# Altium PCB PCB1.PcbDoc (part 2 of 2)
Units mil, origin at the board's own origin, x right, y up, seen from the top; angles counter-clockwise.
Board outline 4595 x 3140.77 mil, 4 copper layers (Top Layer, layer 2, layer 3, Bottom Layer), stack 61.811 mil thick; 97 components, 77 nets, 454 pads, 209 vias.
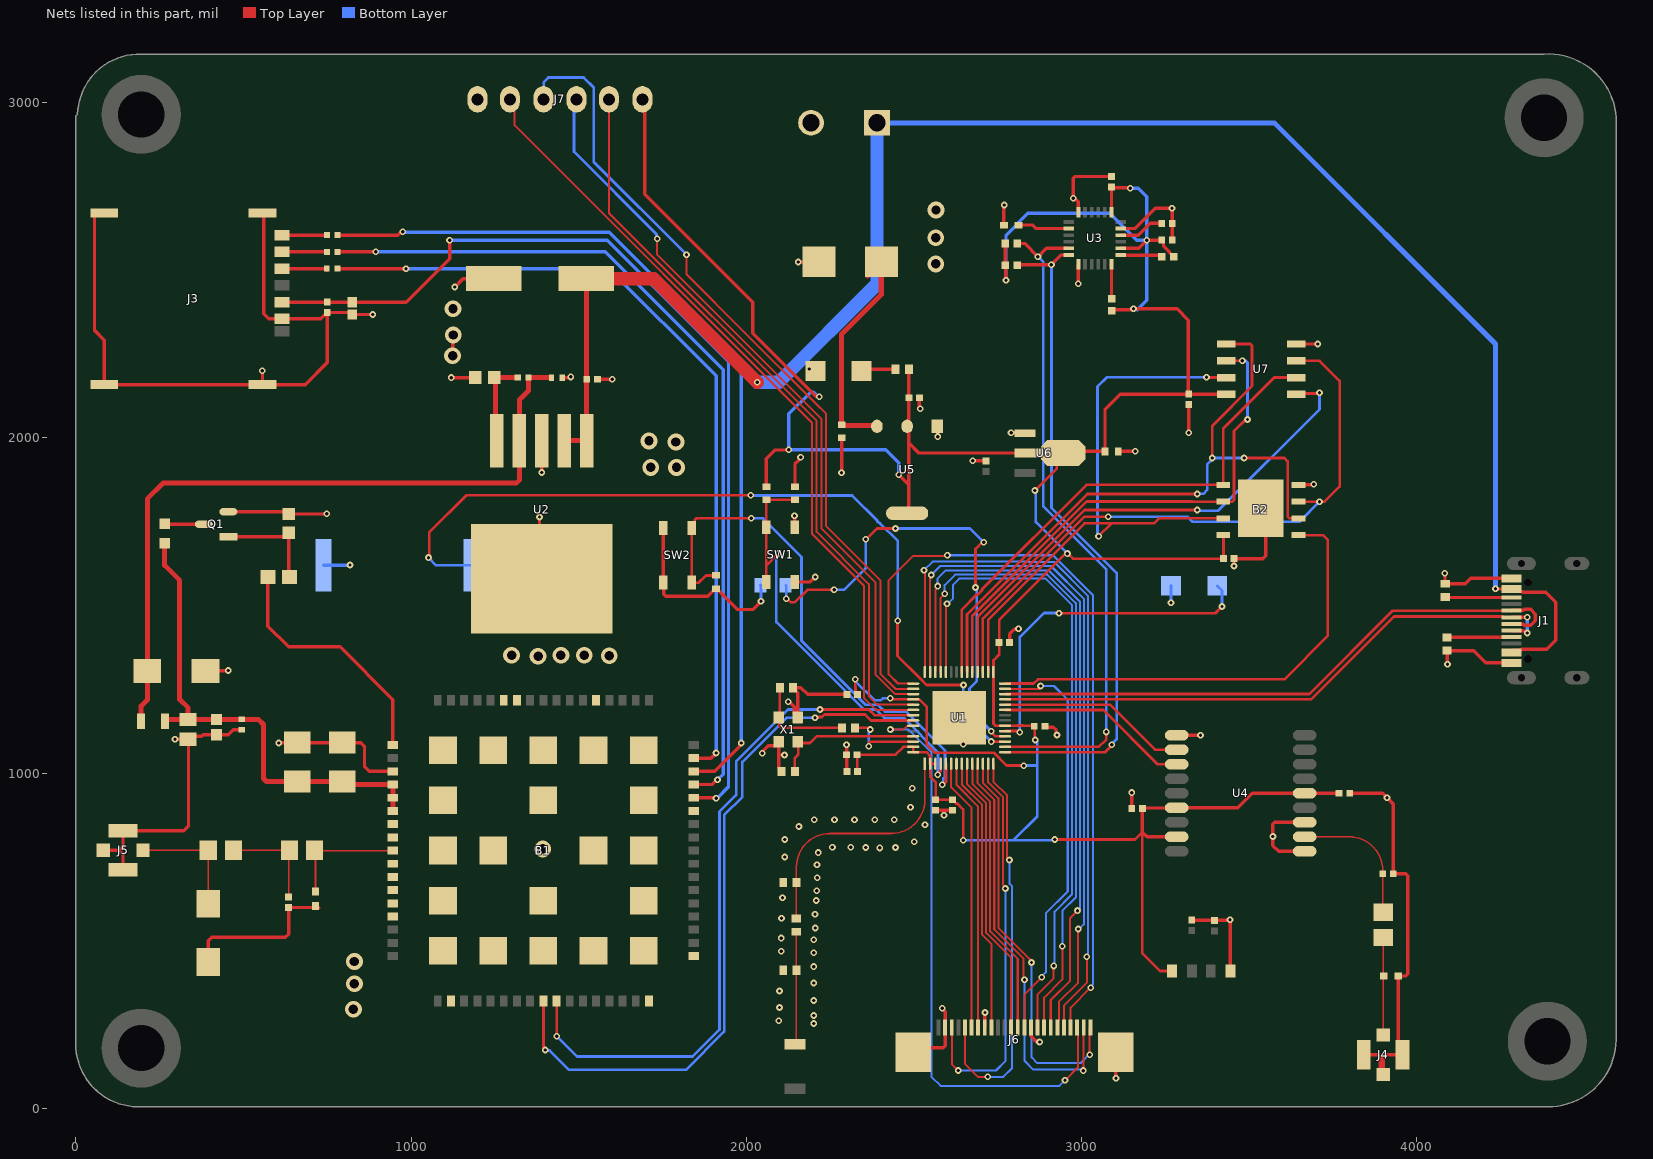
[diagram p4: the nets of this part, all layers, seen from the top]

## Via types
v1: diameter 20, hole 10, Top Layer to Bottom Layer, tented both sides, 190 vias
v2: diameter 50, hole 28, Top Layer to Bottom Layer, tented both sides, 19 vias

## Nets (pads, with @x,y where several pads share a name; then routed paths per layer and width w, separated by ;. In a path a pad name is that pad's centre, name@x,y a point inside that pad or via, vN(x,y) a via of type N, cw(c..) or ccw(c..) an arc to the next point about the centre after c; other vN are vias at no path point) (continued)
3.3V: B2.8 C6.1 C7.1 C8.1 C9.1 C29.2 C30.1 C33.1 C34.1 C35.1 C36.1 C37.1 C38.1 C39.1 C40.1 C41.1 J7.1 R8.2 R9.1 R10.2 R12.1 R17.2 R19.2 R20.1 U1.2 U1.3 U1.20 U1.29 U1.46 U1.55 U1.56 U3.8 U3.13 U4.6 U4.8 U4.14 U5.2 U5.4 U6.2 U7.8 | length 10519.6
  Top Layer w8: v1(2325,1280) 2325,1257.98 2325.74,1257.24 2325.74,1240.76 C33.1@2331.5,1235 ; C38.1@2331.5,1005 2330.75,1005.75 2330.75,1054.25 C36.1@2330,1055 2445,1055 2468.39,1078.39 U1.55@2498.1,1078.39 U1.56@2498.1,1062.64 2537.36,1062.64 2548.17,1051.83 2548.17,1028.32 U1.2@2548.39,1028.1 ; v1(2429.61,1223.37) 2432.86,1223.37 2436.11,1220.12 U1.46@2498.1,1220.12 ; U1.46@2498.1,1220.12 2516.2,1220.06 2538,1198.26 2538,1085 2562,1061 2647,1061 2738.26,1061 2776.25,1023 2827,1023 v1(2828,1022) ; U1.3@2564.13,1028.1 U1.2@2548.39,1028.1 ; v1(2647,800) 2647,891.87 2629.38,909.49 2626.26,909.49 C37.1@2615,920.75 C34.1@2565,920.75 2565,972.98 2548.39,989.59 U1.2@2548.39,1028.1 ; v1(2861,1843) 2926.32,1908.32 2926.32,1935.88 U6.2@2945.43,1955 ; v1(2862,1099) 2860.63,1100.37 2860.63,1136.38 2855.84,1141.17 2825.12,1141.17 2824.28,1142 2807.72,1142 2806.88,1141.17 2772.11,1141.17 U1.20@2771.9,1141.38 2743.69,1141.38 2737.36,1147.7 U1.29@2737.36,1301.9 2737.36,1336.36 2754.25,1353.25 C39.1@2754.25,1390 2754.25,1457.25 2952,1655 v1(2958,1655) 2959.11,1655 2974.11,1640 C41.1@3423.5,1640 3423.5,1709.29 B2.8@3422.8,1710 ; v1(2920,802) 3159.5,802 3181.5,824 3181.5,462.5 3234,410 R19.2@3270,410
  Top Layer w10: J7.1@1690.28,3010 1697,3003.28 1697,2727 2019,2405 2019,2312.49 2206.94,2124.56 2215.73,2124.56 v1(2217.64,2122.64) ; R17.2@2060,1854.37 2060,1938 2086,1964 2126,1964 v1(2127,1965) ; v1(2455,1890) 2485,1860 ; U5.4@2480,1775.28 2485,1780.28 2485,1860 ; R20.1@2485,2205 C30.1@2485,2120 2485,1985 ; R10.2@2772.2,2580 R8.2@2772.2,2515 2773.6,2513.6 2773.6,2471.4 v1(2775,2470) ; U6.2@2839.13,1955 2515,1955 2485,1985 ; U6.2@2945.43,1955 2950.2,1959.76 C29.2@3070.25,1959.76 3070.25,2085.25 3115.75,2130.75 C40.1@3318.5,2130.75 ; U3.13@3089.21,2672.56 3089.61,2672.95 C6.1@3089.61,2748.11 ; R12.1@3090,2380 3092.5,2382.5 3152.5,2382.5 v1(3155,2385) 3285,2385 3318.5,2351.5 C40.1@3318.5,2130.75 ; C6.1@3090,2748.5 3091.75,2746.75 3143.25,2746.75 v1(3145,2745) ; U3.8@3117.56,2565.47 3170.47,2565.47 v1(3195,2590) C7.1@3239.25,2590 3244.49,2584.76 3244.49,2572.92 3261.58,2555.83 3261.58,2553.5 3275,2540.08 R9.1@3275,2540 ; U4.8@3284.06,810.08 3195.42,810.08 3181.5,824 C9.1@3181.5,895 3182.34,895.85 3283.21,895.85 U4.6@3284.06,896.69 3466.69,896.69 3510,940 U4.14@3665.94,940 C8.1@3768.5,940 ; U7.8@3431.25,2130 3320.75,2130 C40.1@3320,2130.75 C40.1@3318.5,2130.75 ; 2485,1860 2485,1985
  Bottom Layer w8: v1(2325,1280) 2325,1275 2382.39,1217.61 2401.5,1217.61 2407.25,1223.37 v1(2429.61,1223.37) ; v1@2647,796.75 v1(2647,800) 2797,800 ; v1(2828,1022) 2829,1023 2868,1023 ; v1(2861,1843) 2863.3,1840.7 2863.3,1834.7 2864,1834 2864,1749 v1(2958,1655) ; v1(2862,1099) 2863.31,1099 2868,1094.31 2868,1023 ; v1(2920,802) 2918,800 2797,800 ; 2797,800 2868,871 2868,1023
  Bottom Layer w10: v1(2217.64,2122.64) 2214.94,2122.64 2200.72,2136.86 2191.86,2136.86 2127,2072 v1(2127,1965) 2416,1965 2455,1926 v1(2455,1890) ; v1(2775,2470) 2775,2605 2840,2670 3084.89,2670 3164.89,2590 v1(3195,2590) ; v1(3145,2745) 3170,2745 3195,2720 v1(3195,2590) ; 3166.64,2381.64 3195,2410 v1(3195,2590)
3.8V: C1.2 D4.1 FB1.1 R3.2 U2.4 | length 2190.4
  Top Layer w15: FB1.1@194.57,1155 194.57,1199.57 213.39,1218.39 D4.1@213.39,1305 213.39,1818.39 260,1865 1314.21,1865 1323,1873.79 1323,2113 1350,2140 R3.2@1350,2180 C1.2@1419.25,2180
ANT: C31.2 L1.2 U1.1 | length 760.2
  Top Layer w4.57: L1.2@2148.37,566.37 L1.2@2149,566.37 2149,674 C31.2@2149.69,674 2149.69,720 cw(c2249.69,720) 2249.69,820 2432.64,820 ccw(c2432.64,920) 2532.64,920 U1.1@2532.64,1028.1
BOOT: C24.2 SW2.34 U1.5 | length 1628.4
  Top Layer w8: C24.2@1909.76,1589.75 1879.75,1589.75 1858.31,1568.31 SW2.34@1837.32,1568.31 SW2.34@1837.32,1731.69 1846.12,1740.49 1846.12,1755.31 1850.8,1760 v1(2015,1760) ; v1(2585,965) 2586.75,965 2596,974.25 2596,1004.14 2595.84,1004.3 2595.84,1027.89 U1.5@2595.63,1028.1
  Bottom Layer w8: v1(2015,1760) 2050,1760 2165,1645 2165,1395 2356.39,1203.61 2392.9,1203.61 2413.26,1183.26 2476.74,1183.26 2593,1067 2593,988.97 2587.3,983.27 2587.3,967.3 v1(2585,965)
BUZZER: LS1.1 U1.17 | length 2535.9
  Top Layer w8: v1(1052,1643) 1054,1645 1054,1718 1165,1829 v1(2013,1829) ; v1(2452,1455) 2451,1454 2451,1350 2516,1285 2516,1284.75 2537.75,1263 v1(2648,1263) ; v1(2730.72,1094.13) U1.17@2771.9,1094.13
  Bottom Layer w8: v1(1052,1643) 1075,1620 LS1.1@1180,1620 ; v1(2013,1829) 2014,1828 2316,1828 2390.69,1753.31 2390.69,1751.37 2395.37,1746.69 2397.31,1746.69 2452,1692 v1(2452,1455) ; v1(2648,1263) 2647,1262 2647,1177.86 v1(2730.72,1094.13)
CAM_RESET: J6.6 U1.6 | length 812.4
  Top Layer w6: U1.6@2611.38,1028.1 2611.38,957.57 2672.05,896.9 J6.6@2672.05,240.79
CAM_SCL: J6.5 U1.14 | length 1207.6
  Top Layer w6: J6.5@2652.36,240.79 2652.36,132.64 2691,94 v1(2720,94) ; U1.14@2737.36,1028.1 2737.36,974.64 2778,934 2778,745 2782,741 v1(2785,741)
  Bottom Layer w6: v1(2720,94) 2767,94 2792,119 2792,663.87 2785,670.87 v1(2785,741)
CAM_SDA: J6.3 U1.13 | length 1196.6
  Top Layer w6: J6.3@2612.99,240.79 2612.99,132.01 v1(2632,113) ; U1.13@2721.61,1028.1 2721.61,972.39 2766,928 2766,666 2773,659 v1(2773,656)
  Bottom Layer w6: v1(2632,113) 2745,113 2773,141 v1(2773,656)
CLK: B2.6 U1.33 U7.6 | length 1587.1
  Top Layer w8: U1.33@2674.37,1301.9 2674.37,1469.57 3015.24,1810.44 3330.44,1810.44 3330.87,1810 B2.6@3422.8,1810 3450,1810 3455,1815 3455,2020 3490,2055 v1(3495,2055) ; U7.6@3431.25,2230 v1(3480,2230)
  Bottom Layer w8: v1(3480,2230) 3490,2230 3495,2225 v1(3495,2055)
CS_FLASH: B2.1 U1.28 | length 1401.2
  Top Layer w8: U1.28@2771.9,1267.36 2857.08,1267.36 2869.72,1280 3605,1280 3735,1410 3735,1695 3720,1710 B2.1@3647.2,1710
CS_PSRAM64: U1.32 U7.1 | length 1563.7
  Top Layer w8: U1.32@2690.12,1301.9 2690.12,1465.52 3009.6,1785 v1(3345,1785) ; U7.1@3640.25,2130 3642.75,2132.5 3707.5,2132.5 v1(3710,2135)
  Bottom Layer w8: v1(3345,1785) 3347.2,1782.8 3407.8,1782.8 3710,2085 v1(3710,2135)
DI: B2.5 U1.35 U7.2 | length 1570.3
  Top Layer w8: U1.35@2642.87,1301.9 2642.87,1487.87 2689,1534 2692.28,1534 2704,1545.72 2704,1549 3015,1860 B2.5@3422.8,1860 3422.8,2027.8 3575,2180 U7.2@3640.25,2180
DO: B2.2 U1.34 U7.5 | length 2035.6
  Top Layer w8: U1.34@2658.62,1301.9 2658.62,1473.62 3017.5,1832.5 v1(3345.21,1832.5) ; v1(3390,1940) 3390,2036.11 3508.81,2154.92 3508.81,2275.31 3504.13,2280 U7.5@3431.25,2280 ; v1(3485,1940) 3605,1940 3615,1930 3615,1765 3620,1760 B2.2@3647.2,1760
  Bottom Layer w8: v1(3345.21,1832.5) 3345.97,1833.25 3363.25,1833.25 3375,1845 3375,1920.4 3390,1935.4 v1(3390,1940) v1(3485,1940)
GND: B1.2 B1.17 B1.18 B1.29 B1.39 B1.45 B1.46 B1.54 B1.58 B1.59 B1.61 B1.62 B1.63 B1.64 B1.65 B1.69 B1.70 B1.71 B1.72 B1.73 B1.74 B1.75 B1.76 B1.77 B1.78 B1.79 B1.80 B1.81 B1.82 B1.83 B1.84 B1.85 B1.86 B1.87 B1.88 B2.4 B2.9 C1.1 C2.2 C3.2 C4.2 C5.2 C6.2 C7.2 C8.2 C9.2 C10.2 C11.2 C12.2 C13.2 C14.1 C15.1 C16.1 C17.1 C18.2 C21.1 C22.2 C23.2 C24.1 C25.1 C26.1 C27.1 C28.2 C29.1 C30.2 C31.1 C32.1 C33.2 C34.2 C35.2 C36.2 C37.2 C38.2 C39.2 C40.2 C41.2 D1.A D2.1 D3.1 D4.2 D7.1 J1.A1B12 J1.B1A12 J2.2 J3.1 J3.2 J3.3 J3.4 J3.C5 J4.G J5.G J6.2 J6.8 J6.15 J6.M1 J6.M2 J7.6 LS1.2 Q1.2 R1.1 R2.1 R4.1 R14.1 R21.1 SW1.12 SW2.12 U1.57 U2.3 U2.6 U3.1 U3.11 U3.18 U4.1 U4.10 U4.12 U5.1 U6.1 U7.4 X1.2 X1.4 | length 10250.7
  Top Layer w10: J5.G@81.89,770 131,770 ; J3.3@84.45,2670.91 64.51,2670.91 55.73,2662.13 55.73,2320.48 84.45,2291.77 J3.4@84.45,2159.09 J3.2@556.89,2159.09 ; J5.G@140.94,711.93 140.94,760.06 131,770 ; v1(296,1101) 334.94,1101 C16.1@335,1100.94 ; D4.2@386.61,1305 450,1305 451,1306 v1(455,1306) ; Q1.2@455,1779.8 628.36,1779.8 R14.1@634.73,1773.43 ; C17.1@495,1129.25 469.35,1129.25 454.67,1114.57 C18.2@420,1114.57 379.57,1114.57 375,1110 344.06,1110 C16.1@335,1100.94 ; v1(556,2200) 556.89,2199.11 J3.2@556.89,2159.09 ; J3.1@556.89,2670.91 561,2666.8 561,2370 575.84,2355.16 J3.C5@615.16,2355.16 684.84,2355.16 685,2355 730.75,2355 C4.2@750,2374.25 ; v1(605,1090) 606.14,1091.14 C14.1@660,1091.14 C15.1@795,1091.14 849.86,1091.14 861,1080 861,1020 875.57,1005.43 B1.54@945.79,1005.43 ; R14.1@634.47,1773.17 R14.1@635,1773.17 746.17,1773.17 747,1774 v1(749,1774) ; v1(886,2368) 885.66,2368.34 C5.2@825,2368.34 819.09,2374.25 C4.2@750,2374.25 ; v1(1120,2180) R4.1@1191.83,2180 ; v2(1124,2245) 1124,2305 cw(c1126,2305) v2(1126,2307) ; v1(1130,2450) 1155,2475 C2.2@1247.2,2475 ; v1(1383,1764) 1383,1587.25 U2.6@1390,1580.25 ; v1(1390,1897) U2.3@1390,1991.75 ; C1.1@1450.75,2180 1468,2180 1468.09,2180.09 1474.09,2180.09 v1(1476,2182) ; C3.2@1555.75,2175 1589.14,2175 1590.43,2173.71 1598.71,2173.71 v1(1600,2175) ; SW2.12@1752.68,1731.69 SW2.12@1752.68,1568.31 1754,1566.98 1754,1533.86 1759.86,1528 1885.41,1528 1907.8,1550.38 C24.1@1909.76,1550.38 1911.73,1550.38 1974.11,1488 2019,1488 v1(2044,1513) ; v1(2048,1059) 2048,1064 2065.71,1081.71 2085.71,1081.71 X1.4@2096.46,1092.46 ; X1.4@2096.46,1093.58 X1.4@2096.46,1092.46 ; C25.1@2105.32,1004.69 C25.1@2105.63,1005 2105.63,1006.97 2096.46,1016.14 2096.46,1054.3 ; C31.1@2110.63,674.32 C31.1@2110.32,674 C31.1@2110.79,673.53 ; v1(2114,1054) 2106,1054 2105.7,1054.3 2096.46,1054.3 ; v1(2125,1213) 2127.71,1213 2130.71,1210 2131,1210 2142.8,1198.2 2142.8,1177.17 X1.2@2153.54,1166.42 2153.54,1239.17 2139.68,1253.03 C26.1@2139.68,1255 2163,1255 2183,1235 C33.2@2300,1235 ; v1(2144,1768) 2144.65,1767.35 SW1.12@2144.65,1733.39 ; SW1.12@2144.65,1570 2189,1570 2204,1585 v1(2206,1585) ; C21.1@2145.24,1854.62 2145.24,1922.24 2153,1930 2153,1930.29 2162,1939.29 v1(2162,1942) ; v1(2155,2525) D1.A@2217.48,2525 ; v1(2187.6,2205.69) 2193.28,2200 D7.1@2206.1,2200 ; v1(2284,1896) 2284.38,1896.38 2284.38,2000 C27.1@2284.76,2000.38 ; v1(2299,1085) 2299,1083 2299.25,1082.75 2299.25,1005.75 C38.2@2300,1005 ; J6.M1@2497.64,167.56 2511.08,181 2587,181 2593.31,187.31 2593.31,287.99 2585,296.29 v1(2585,299) ; C30.2@2516.5,2120 2516.5,2090.5 2519,2088 v1(2519,2087) ; C34.2@2565,889.25 2590,889.25 ; U5.1@2570.16,2034.72 2571,2033.88 v1(2571,2004) ; v1(2590,874) 2590,889.25 ; C37.2@2615,889.25 2590,889.25 ; U1.57@2635,1165 2647,1153 v1(2647,1086) ; v1(2676,1932) 2676.5,1931.5 C28.2@2715,1931.5 ; J6.8@2711.42,240.79 2711.42,278.58 2711,279 2711,285 v1(2712,286) ; C12.2@2768.35,2635 2768.35,2688.35 2770,2690 v1(2770,2695) ; C39.2@2785.75,1390 2785.75,1415.24 2799.6,1429.09 2810.09,1429.09 v1(2812,1431) ; v1(2790,2015) 2830.31,2015 U6.1@2831.26,2014.06 ; J6.15@2849.21,240.79 2850.12,239.88 2850.12,214.48 2866.6,198 2867,198 2867.09,197.91 2874.91,197.91 v1(2875,198) ; C35.2@2890.75,1140 2893.75,1137 2916,1137 2924,1129 2924,1117 v1(2927,1114) ; v1(2990,2460) 2990,2465 2990.79,2465.79 U3.1@2990.79,2517.44 ; U3.18@2990.79,2672.56 2990.79,2704.14 2984.93,2710 2980,2710 v1(2975,2715) 2975,2774.14 2980.86,2780 C6.2@3090,2780 ; J6.M2@3102.36,167.56 3102.36,93.64 3103,93 v1(3103,90) ; C29.1@3109.62,1959.76 3154.76,1959.76 3155,1960 v1(3160,1960) ; U3.11@3117.56,2624.53 3159.53,2624.53 3220,2685 v1(3270,2685) 3270,2675 3270.75,2674.25 C13.2@3270.75,2640 C7.2@3270.75,2590 ; C9.2@3150,895 v1(3150,942) ; U4.1@3284.06,1113.23 3354.77,1113.23 v1(3355,1113) ; v1(3320,2015) C40.2@3320,2099.25 ; C23.2@3329,561.75 3329.5,561.25 3396.5,561.25 C22.2@3397,560.75 3440.75,560.75 v1(3443,563) 3443.76,562.24 3443.76,410.76 R21.1@3444.53,410 ; v1(3455,1618) C41.2@3455,1640 3541.14,1640 3550,1648.86 3550,1775 B2.9@3535,1790 ; U7.4@3640.25,2280 v1(3705,2280) ; B2.4@3647.2,1860 3690,1860 3692,1862 v1(3693,1862) ; U4.10@3665.94,766.77 3588.23,766.77 3571,784 v1(3571,811) 3571,847.53 3576.86,853.39 U4.12@3665.94,853.39 ; C8.2@3800,940 3898,940 v1(3911.5,926.5) 3930,908 C11.2@3930,700 3967.14,700 3973,694.14 3973,401 3967,395 C10.2@3945,395 3945,173.07 J4.G@3958.07,160 3908,160 3900,152 J4.G@3900,100.94 3891,109.94 3891,154.14 3885.14,160 J4.G@3841.93,160 ; v1(4084,1596) 4084.5,1595.5 4084.5,1565.5 R1.1@4085,1565 4145,1565 4160.98,1580.98 J1.B1A12@4282.8,1580.98 ; v1(4092,1325) 4091,1326 4091,1364.32 R2.1@4090,1365.32 4169.69,1365.32 4205.98,1329.02 J1.A1B12@4282.8,1329.02 ; 131,770 140.94,779.94 J5.G@140.94,828.07 322.07,828.07 336,842 336,1099.94 C16.1@335,1100.94 ; J3.2@556.89,2159.09 684.09,2159.09 750,2225 C4.2@750,2374.25 ; 2096.46,1054.3 X1.4@2096.46,1092.46
  Bottom Layer w10: LS1.2@739.06,1620 817,1620 v1(818,1621) ; D2.1@2042.6,1560 2044,1558.6 v1(2044,1513) ; v1(3267,1508) D3.1@3267,1559
  other v1: 2201,253 2097,261 2201,277 2099,301 2201,322 2099,350 2201,374 2201,423 2201,464 2104,469 2201,503 2104,508 2206,538 2105,567 2205,579 2209,620 2108,628 2210,649 2212,688 2211,727 2115,750 2215,763 2398,777 2356,778 2445,778 2257,779 2312,779 2501,795 2115,802 2157,841 2533,846 2203,861 2263,861 2323,861 2383,861 2441,861 2490,898 2495,955
  other v2: 828,296 831,372 831,438 1393,774 1379,1349 1591,1350 1300,1352 1447,1352 1517,1352 1715,1912 1792,1912 1790,1988 1710,1991 1125,2385 2565,2519 2565,2597 2566,2680
GREEN_LED: D3.2 U1.19 | length 1039
  Top Layer w8: U1.19@2771.9,1125.63 2812.37,1125.63 v1(2816,1122) ; v1(2933,1477) 3399,1477 v1(3419,1497)
  Bottom Layer w8: v1(2816,1122) 2816,1406 2888,1478 2932,1478 v1(2933,1477) ; D3.2@3404.8,1559 3419,1544.8 v1(3419,1497)
HOLD: B2.7 U1.30 U7.7 | length 1878.3
  Top Layer w8: U1.30@2721.61,1301.9 2721.61,1457.42 3009.2,1745 3089,1745 ; v1(3051,1707) 3089,1745 ; v1(3373,2181) 3374,2180 U7.7@3431.25,2180 ; B2.7@3422.8,1760 3230.75,1760 3215.75,1745 3089,1745
  Bottom Layer w8: v1(3051,1707) 3048,1710 3048,2153 3076,2181 v1(3373,2181)
HSYNC: J6.9 U1.8 | length 823.9
  Top Layer w6: U1.8@2642.87,1028.1 2642.87,966.19 2703.73,905.33 2703.73,518.36 2731.1,490.99 J6.9@2731.1,240.79
IO0: J6.24 U1.12 | length 1208.8
  Top Layer w6: U1.12@2705.87,1028.1 2705.87,971.13 2751.73,925.27 2751.73,539.18 2846.02,444.89 2846.02,443.77 2851,438.79 v1(2851,435) ; v1(3024.61,160) 3024.19,160.42 3024.19,238.6 J6.24@3026.38,240.79
  Bottom Layer w6: v1(2851,435) 2851,152.51 2868.51,135 2997,135 3022,160 v1(3024.61,160)
IO1: J6.23 U1.11 | length 1260.2
  Top Layer w6: U1.11@2690.12,1028.1 2690.12,969.91 2739.73,920.3 2739.73,534.21 2809.97,463.97 2827.32,446.62 2827.32,386.68 v1(2830,384) ; v1(3005.61,112.78) 3005.61,174.92 3006.35,175.65 3006.35,240.44 J6.23@3006.69,240.79
  Bottom Layer w6: v1(2830,384) 2830,142 2856.49,115.51 2987.09,115.51 2987.15,115.46 3002.93,115.46 v1(3005.61,112.78)
IO2: J6.19 U1.41 | length 2111.2
  Top Layer w6: 2548.36,1427.17 2548.36,1583.7 2551.98,1587.33 v1(2551.98,1591.11) ; U1.41@2548.39,1301.9 2548.39,1427.14 ; J6.19@2927.95,240.79 2927.95,258.5 2932.73,263.28 2932.73,317.7 2990,374.97 v1(2990,535)
  Bottom Layer w6: v1(2551.98,1591.11) 2578.87,1618 2909,1618 3007.01,1519.99 3007.01,549.1 2992.92,535 v1(2990,535)
IO3: J6.21 U1.43 | length 2373.1
  Top Layer w6: U1.43@2498.1,1267.36 2452.64,1267.36 2425,1295 2425,1575 2498,1648 2598,1648 v1(2600,1650) ; J6.21@2967.32,240.79 2967.32,300.32 3026.57,359.57 v1(3027.43,359.57)
  Bottom Layer w6: v1(2600,1650) 2915,1650 3035,1530 3035,370.92 3027.43,363.35 v1(3027.43,359.57)
IO4: J6.22 U1.51 | length 1781.2
  Top Layer w6: v1(2430,1130) 2468.69,1130 2479.86,1141.17 2497.89,1141.17 U1.51@2498.1,1141.38 ; v1(2951,84) 2989,122 2989,238.8 J6.22@2987.01,240.79
  Bottom Layer w6: v1(2430,1130) 2484.46,1130 2552,1062.46 2552,95 2580,67 2934,67 v1(2951,84)
IO5: J6.20 U1.42 | length 2164.8
  Top Layer w6: v1(2530,1605) 2532.64,1602.36 U1.42@2532.64,1301.9 ; J6.20@2947.64,240.79 2947.64,306.64 3016,375 v1(3016,452)
  Bottom Layer w6: v1(2530,1605) 2556,1631 2834,1631 2835,1630 2918.03,1630 3020,1528.03 3020,457 3016,453 v1(3016,452)
IO6: J6.18 U1.40 | length 2061.9
  Top Layer w6: U1.40@2564.13,1301.9 2564.13,1547.36 2570.98,1554.21 v1(2570.98,1558) ; J6.18@2908.27,240.79 2908.27,323.27 2966,381 2966,568 v1(2988,590)
  Bottom Layer w6: v1(2570.98,1558) 2570.98,1580.98 2594,1604 2903,1604 2995.01,1511.99 2995.01,595.01 2990,590 v1(2988,590)
IO7: J6.16 U1.38 | length 1967.7
  Top Layer w6: U1.38@2595.63,1301.9 2595.63,1498.6 2598.88,1501.85 v1(2598.88,1505.64) ; J6.16@2868.9,240.79 2868.9,339.9 2917,388 v1(2917,425)
  Bottom Layer w6: v1(2598.88,1505.64) 2601.26,1505.64 2616,1520.38 2616,1561 2635,1580 2893.06,1580 2971.01,1502.04 2971.01,1321.99 ; v1(2917,425) 2920,428 2920,587 2971,638 2971,1321.97
IO8: J6.14 U1.27 | length 1242.3
  Top Layer w6: U1.27@2771.9,1251.61 2874.49,1251.61 2874.49,1252.7 2878,1256.21 v1(2878,1260) ; J6.14@2829.53,240.79 2829.53,339.53 v1(2881,391)
  Bottom Layer w6: v1(2878,1260) 2918,1260 2959,1219 2959,647 2894,582 2894,406 2881,393 v1(2881,391)
IO9: J6.12 U1.9 | length 841.8
  Top Layer w6: U1.9@2658.62,1028.1 2658.62,967.41 2715.73,910.3 2715.73,523.34 2790.16,448.91 J6.12@2790.16,240.79
MCLK: J6.13 U1.10 | length 843.4
  Top Layer w6: U1.10@2674.37,1028.1 2674.37,968.63 2727.73,915.27 2727.73,528.31 2809.84,446.2 J6.13@2809.84,240.79
MTCK: J7.4 U1.44 | length 2438
  Top Layer w6: v1(1821.64,2546.64) 1821.64,2488.64 1996.07,2314.21 2207.64,2102.64 2238,2072.28 2238,1737 2400,1575 2400,1296.82 2445.21,1251.61 U1.44@2498.1,1251.61
  Bottom Layer w8: J7.4@1395,3010 1396.06,3011.06 1396.06,3061.37 1409.69,3075 1515,3075 1545,3045 1545,2823.28 v1(1821.64,2546.64)
MTDI: J7.2 U1.47 | length 2244.6
  Top Layer w6: J7.2@1590.28,3010 1590.28,2670.95 2210,2051.23 2210,1719.8 2365.73,1564.07 2365.73,1229.27 2390.63,1204.37 U1.47@2498.1,1204.37
MTDO: J7.3 U1.45 | length 2228.4
  Top Layer w6: v1(1734.04,2594.04) 1734.04,2546.98 2224,2057.02 2224,1730 2385,1569 2385,1294.51 2388.51,1291 2388.85,1291 2443.98,1235.87 U1.45@2498.1,1235.87
  Bottom Layer w8: J7.3@1493.43,3010 1485.93,3002.5 1485.93,2854.07 1732.44,2607.56 1732.44,2595.64 v1(1734.04,2594.04)
MTMS: J7.5 U1.48 | length 2385.1
  Top Layer w6: J7.5@1295,3010 1295,2986.34 1308.79,2972.56 1308.79,2932.64 2196,2045.43 2196,1714 2351.73,1558.27 2351.73,1235.07 2351.73,1223.47 2386.58,1188.62 U1.48@2498.1,1188.62
NetAE1_1: AE1.1 C32.2 L1.1 | length 337.7
  Top Layer w4.57: AE1.1@2145.31,191.93 AE1.1@2145,191.93 ccw(c2145,195.93) 2149,195.93 L1.1@2149,527
NetB1_52: B1.52 R13.1 | length 745.2
  Top Layer w10: R13.1@572.9,1585 572.9,1438.63 634.71,1376.81 788.19,1376.81 945.79,1219.21 B1.52@945.79,1084.17
NetB1_60: B1.60 C19.1 R15.1 | length 355.9
  Top Layer w4.57: C19.1@715,646.65 715,767.41 713.2,769.21 B1.60@945.79,769.21
NetC10_1: C10.1 J4.S R11.1 | length 291.1
  Top Layer w4.57: J4.S@3900,219.06 3900,395 R11.1@3900,510.2
NetC11_1: C11.1 R11.2 U4.11 | length 415.3
  Top Layer w4.57: U4.11@3665.94,810.08 3798.5,810.08 cw(c3798.5,710.08) 3898.5,710.08 C11.1@3898.5,700 3898.5,586.5 R11.2@3900,585
NetC12_1: C12.1 U3.20 | length 155.1
  Top Layer w10: C12.1@2811.65,2635 2855,2635 2865.47,2624.53 U3.20@2962.44,2624.53
NetC13_1: C13.1 U3.10 | length 136.3
  Top Layer w10: U3.10@3117.56,2604.84 3169.84,2604.84 3205,2640 C13.1@3239.25,2640
NetC19_2: C19.2 C20.2 D6.2 | length 482.2
  Top Layer w10: D6.2@395,436.77 395,500 405,510 625,510 635,520 C20.2@635,599.25 635,600 635.83,599.17 715,599.17 715.83,598.35 725,598.35
NetC20_1: C20.1 R15.2 R16.1 | length 307.9
  Top Layer w4.57: R16.1@470,770 R15.2@637.6,770 635,767.4 C20.1@635,630.75
NetC26_2: C26.2 R18.2 X1.3 | length 305.5
  Top Layer w8: C26.2@2100.31,1255 2100.31,1170.28 X1.3@2096.46,1166.42 2098.61,1164.26 2098.61,1141.39 2105,1135 R18.2@2285.31,1135
NetD5_1: D5.1 Q1.3 | length 118
  Top Layer w10: D5.1@265,1744.53 267.13,1742.4 Q1.3@382.13,1742.4
NetD6_1: D6.1 J5.S R16.2 | length 355.3
  Top Layer w4.57: J5.S@200,770 R16.2@395.2,770 395,769.8 D6.1@395,610
NetD7_2: D7.2 R20.2 | length 103.8
  Top Layer w10: D7.2@2343.9,2200 2348.9,2205 R20.2@2445.63,2205
NetJ1_A5: J1.A5 R2.2 | length 193.3
  Top Layer w10: R2.2@4090,1404.69 4091.1,1405.79 J1.A5@4282.8,1405.79
NetJ1_B5: J1.B5 R1.2 | length 198.5
  Top Layer w10: R1.2@4085,1525.63 4086.73,1523.9 J1.B5@4282.8,1523.9
NetJ3_C2: J3.C2 R5.1 | length 135.5
  Top Layer w10: J3.C2@615.16,2505.16 743.35,2505.16 R5.1@748.5,2500
NetJ3_C3: J3.C3 R6.1 | length 134.2
  Top Layer w10: J3.C3@615.24,2605.08 R6.1@749.17,2605.08
  Top Layer w15: J3.C3@615.16,2605.16 J3.C3@615.24,2605.08 ; R6.1@749.17,2605.08 R6.1@749.25,2605
NetJ3_C7: J3.C7 R7.1 | length 134.2
  Top Layer w10: J3.C7@615.16,2555.16 615.31,2555 R7.1@749.25,2555
NetQ1_1: Q1.1 R13.2 R14.2 | length 317.6
  Top Layer w10: Q1.1@455,1705 623.17,1705 R14.2@635,1716.83 635,1587.1 R13.2@637.1,1585
NetR3_1: R3.1 R4.2 U2.5 | length 261.7
  Top Layer w15: U2.5@1256,1991.75 1252.08,1995.67 1252.08,2176.08 R4.2@1248.17,2180 R3.1@1318.33,2180
NetR9_2: R9.2 U3.7 | length 124.2
  Top Layer w10: U3.7@3117.56,2545.79 3118.07,2545.28 3234.12,2545.28 R9.2@3239.4,2540
NetR12_2: R12.2 U3.6 | length 102.2
  Top Layer w10: U3.6@3089.21,2517.44 3089.61,2517.05 3089.61,2416 R12.2@3090,2415.6
PCLK: J6.17 U1.39 | length 2008.5
  Top Layer w6: U1.39@2579.88,1301.9 2579.88,1523.03 v1(2591.85,1535) ; J6.17@2888.58,240.79 2888.58,330.58 2943,385 v1(2943,484)
  Bottom Layer w6: v1(2591.85,1535) 2591.85,1560.85 2623,1592 2898.03,1592 2983.01,1507.01 2983.01,1317.01 2983,685.01 2983.01,629.01 2943,589 2943,489 v1(2943,484)
RED_LED: D2.2 U1.18 | length 1456.3
  Top Layer w8: v1(2119,1520) 2122.25,1520 2132.25,1510 2145,1510 2182,1547 v1(2262,1547) ; v1(2356,1698) 2358,1698 2390,1730 v1(2445,1730) ; v1(2684,1554) 2684,1669 2690.66,1675.66 2691.41,1675.66 2704.75,1689 v1(2708,1689) ; v1(2730.72,1125) 2730.72,1122.42 2743.26,1109.88 U1.18@2771.9,1109.88
  Bottom Layer w8: D2.2@2117.4,1560 2119,1558.4 v1(2119,1520) ; v1(2262,1547) 2292,1547 2356,1611 v1(2356,1698) ; v1(2445,1730) 2445.69,1730.69 2453.31,1730.69 2454,1730 2667,1730 v1(2708,1689) ; v1(2684,1554) 2688,1550 2688,1274.72 2666,1252.72 2666,1189.72 v1(2730.72,1125)
RESET: C21.2 R17.1 SW1.34 U1.4 | length 1334
  Top Layer w8: SW1.34@2060,1570 2060,1620 ; v1(2095,1655) 2060,1620 ; C21.2@2145.24,1815.25 2145.11,1815.12 2060.12,1815.12 R17.1@2060,1815 SW1.34@2060,1733.39 2060,1620 ; v1(2571,995.26) 2571,997.67 2579.67,1006.34 2579.67,1027.89 U1.4@2579.88,1028.1
  Bottom Layer w8: v1(2095,1655) 2094.37,1655 2089.68,1650.31 2089.68,1450.52 2350.59,1189.61 2387.1,1189.61 2412.52,1164.19 2470.06,1164.19 2572,1062.26 2572,996.26 v1(2571,995.26)
RXD_GPS: U1.23 U4.3 | length 579.3
  Top Layer w8: U1.23@2771.9,1188.62 3065.38,1188.62 3227.39,1026.61 U4.3@3284.06,1026.61
RXD_GSM: B1.10 U1.49 | length 2068.9
  Top Layer w8: B1.10@1433.98,320.39 1434.49,319.88 1434.49,215.51 v1(1435,215) ; v1(2220,1190) 2365.4,1190 2382.53,1172.87 U1.49@2498.1,1172.87
  Bottom Layer w8: v1(1435,215) 1495,155 1840,155 1920,235 1920,885 1970,935 1970,1035 2125,1190 v1(2220,1190)
SCL: R10.1 U1.16 U3.23 | length 2016.8
  Top Layer w8: U1.16@2771.9,1078.39 3051.39,1078.39 3074,1101 v1(3074,1123)
  Top Layer w10: R10.1@2807.8,2580 2830.42,2580 v1(2870,2540.42) 2870.42,2540.42 2895.47,2565.47 U3.23@2962.44,2565.47
  Bottom Layer w8: v1(2870,2540.42) 2886.15,2524.27 2886.15,1795.85 3074,1608 v1(3074,1123)
SDA: R8.1 U1.15 U3.24 | length 2015.5
  Top Layer w8: U1.15@2771.9,1062.64 3070.89,1062.64 3090,1081.75 v1(3090,1085)
  Top Layer w10: R8.1@2807.8,2515 2809.72,2516.92 v1(2910.26,2516.92) 2939.12,2545.79 U3.24@2962.44,2545.79
  Bottom Layer w8: v1(2910.26,2516.92) 2910.26,1791.54 3105,1596.8 3105,1101.11 3090,1086.11 v1(3090,1085)
SIM_CLK: B1.32 R6.2 | length 2681.5
  Top Layer w10: R6.2@780.75,2605 960.94,2605 970.94,2615 v1(975,2615) ; B1.32@1843.43,1005.43 1905.43,1005.43 1980,1080 1980,1085 v1(1985,1090)
  Bottom Layer w10: v1(975,2615) 976.5,2613.5 1591.5,2613.5 1985,2220 v1(1985,1090)
SIM_DATA: B1.31 R7.2 | length 2603
  Top Layer w10: R7.2@780.75,2555 v1(895,2555) ; B1.31@1843.43,966.06 1897.36,966.06 1911.29,980 v1(1914,980)
  Bottom Layer w10: v1(895,2555) 1580,2555 1931,2204 1931,997 v1(1914,980)
SIM_RST: B1.33 R5.2 | length 2460.4
  Top Layer w10: R5.2@780,2505 v1(985,2505) ; B1.33@1843.43,1044.8 1894.8,1044.8 v1(1910,1060)
  Bottom Layer w10: v1(985,2505) 1590,2505 1910,2185 v1(1910,1060)
SIM_VDD: B1.30 C4.1 C5.1 J3.C1 | length 2978
  Top Layer w10: J3.C1@615.16,2405.16 C4.1@745.59,2405.16 ; C4.1@745.75,2405 C5.1@825,2405 985,2405 1115,2535 v1(1115,2590) ; B1.30@1843.43,926.69 1908.31,926.69 v1(1910,925)
  Bottom Layer w10: v1(1115,2590) 1585,2590 1947,2228 1947,958.77 1913.23,925 v1(1910,925)
TXD_GPS: U1.24 U4.2 | length 567.9
  Top Layer w8: U1.24@2771.9,1204.37 3084.63,1204.37 3219.08,1069.92 U4.2@3284.06,1069.92
TXD_GSM: B1.9 U1.50 | length 2157.1
  Top Layer w8: B1.9@1394.61,320.39 1395,320 1395,182.25 1400,177.25 v1(1400,174) ; v1(2205,1165) 2207.3,1167.3 2225.58,1167.3 2233.28,1175 2354.66,1175 2372.54,1157.13 U1.50@2498.1,1157.13
  Bottom Layer w8: v1(1400,174) 1401.56,172.44 1413.56,172.44 1471,115 1820,115 1934,229 1934,875 1988.2,929.2 1988.2,1033.4 2119.8,1165 v1(2205,1165)
USB_N: J1.A7 J1.B7 U1.25 | length 1757.9
  Top Layer w8: U1.25@2772.31,1220.53 3685.53,1220.53 3932.23,1467.23 4256.79,1467.23 4259.17,1464.84 J1.A7@4282.8,1464.84
  Top Layer w9.92: J1.B7@4282.8,1425.47 4283.74,1424.53 4319.16,1424.53 4325.6,1418.08 v1(4329.68,1418.08) ; J1.A7@4282.8,1464.84 4324.84,1464.84 4325,1465 v1(4330,1465)
  Bottom Layer w9.92: v1(4329.68,1418.08) 4329.84,1418.24 4329.84,1464.84 v1(4330,1465)
USB_P: J1.A6 J1.B6 U1.26 | length 1789.2
  Top Layer w8: U1.26@2771.9,1235.87 3679.77,1235.87 3928.43,1484.53 J1.B6@4282.8,1484.53
  Top Layer w9.92: J1.A6@4282.8,1445.16 4283.74,1444.21 4317.61,1444.21 4320.28,1441.54 4339.72,1441.54 4353.46,1455.28 4353.46,1474.72 4339.72,1488.46 4320.28,1488.46 4317.3,1485.47 4283.74,1485.47 J1.B6@4282.8,1484.53
V_IN: C2.1 C3.1 C27.2 D1.K J1.A4B9 J1.B4A9 J2.1 U2.1 U2.2 U5.3 | length 6156.4
  Top Layer w10: v1(4235,1550) 4235.51,1549.49 J1.B4A9@4282.8,1549.49 4289.61,1542.68 4311.31,1542.68 4313.18,1540.8 4316.88,1540.8 4317.68,1540 4385,1540 4415,1510 4415,1395.86 4388.34,1369.2 4313.18,1369.2 4311.31,1367.32 4289.61,1367.32 J1.A4B9@4282.8,1360.51
  Top Layer w15: U2.2@1457,1991.75 U2.1@1524,1991.75 1524.13,1991.88 1524,1992 1524,2175 1524,2473.8 C2.1@1522.8,2475 ; D1.K@2360.96,2483.79 2360.96,2487.22 2398.74,2525 D1.K@2402.68,2525 2402.68,2427.68 2284.76,2309.76 C27.2@2284.76,2039.75 2287.11,2037.41 2387.16,2037.41 U5.3@2389.84,2034.72
  Top Layer w40: C2.1@1522.8,2475 1724,2475 v1(2033,2166)
  Bottom Layer w15: J2.1@2390,2940 3575,2940 4235,2280 v1(4235,1550)
  Bottom Layer w40: v1(2033,2166) 2097,2166 2390,2459 J2.1@2390,2940
VBAT: B1.55 B1.56 B1.57 C14.2 C15.2 C16.2 C17.2 C18.1 D5.2 FB1.2 | length 1484.1
  Top Layer w15: D5.2@265,1685.47 265,1620 310,1575 310,1220 335,1195 C16.2@335,1160 ; FB1.2@265.43,1155 265.43,1155.69 269.74,1160 C16.2@335,1160 ; C17.2@488.03,1160 C18.1@420,1160 C16.2@335,1160 ; C17.2@495,1160.75 544.25,1160.75 560,1145 560,983.79 568.79,975 C14.2@660,975 C15.2@795,975 803.94,966.06 B1.55@945.79,966.06 B1.56@945.79,926.69 B1.57@945.79,887.32
VSYNC: J6.7 U1.7 | length 814.1
  Top Layer w6: U1.7@2627.13,1028.1 2627.13,964.96 2691.73,900.36 J6.7@2691.73,240.79
WP: B2.3 U1.31 U7.3 | length 1931.6
  Top Layer w8: U1.31@2705.87,1301.9 2705.87,1374.72 2705.76,1374.82 2705.76,1446.67 2705.87,1446.78 2705.87,1461.47 3009.4,1765 v1(3080,1765) ; U7.3@3640.25,2230 3710,2230 3770,2170 3770,1855 3725,1810 v1(3710,1810) B2.3@3647.2,1810
  Bottom Layer w8: v1(3080,1765) 3315.68,1765 3330.68,1750 3650,1750 v1(3710,1810)
XTAL_N: C25.2 U1.53 X1.1 | length 445.5
  Top Layer w8: C25.2@2145,1005 2145,1045 2155,1055 X1.1@2155,1092.13 ; X1.1@2153.54,1093.58 X1.1@2155,1092.13 ; U1.53@2498.1,1109.88 2209.88,1109.88 2190,1090 2157.13,1090 X1.1@2155,1092.13
XTAL_P: R18.1 U1.54 | length 244
  Top Layer w8: R18.1@2324.68,1135 2361.75,1135 2366.75,1130 v1(2370,1130) ; v1(2365,1080) 2367.3,1082.3 2367.3,1091.74 2369.69,1094.13 U1.54@2498.1,1094.13
  Bottom Layer w8: v1(2365,1080) 2365,1125 v1(2370,1130)
pads on no net: AE1.2 B1.1 B1.3 B1.4 B1.5 B1.6 B1.7 B1.8 B1.11 B1.12 B1.13 B1.14 B1.15 B1.16 B1.19 B1.20 B1.21 B1.22 B1.23 B1.24 B1.25 B1.26 B1.27 B1.28 B1.34 B1.35 B1.36 B1.37 B1.38 B1.40 B1.41 B1.42 B1.43 B1.44 B1.47 B1.48 B1.49 B1.50 B1.51 B1.53 B1.66 B1.67 B1.68 J1.A8 J1.B8 J1.MH J1.SH J3.C6 J3.CD J6.1 MH1.1 MH2.1 MH3.1 MH4.1 U1.21 U1.22 U1.36 U1.37 U1.52 U3.2 U3.3 U3.4 U3.5 U3.9 U3.12 U3.14 U3.15 U3.16 U3.17 U3.19 U3.21 U3.22 U4.4 U4.5 U4.7 U4.9 U4.13 U4.15 U4.16 U4.17 U4.18

## Polygon pours and split planes (outlines as drawn)
GND on Bottom Layer "GND_L04_P002" (solid, remove dead copper, pour order 2): 0,180 0,2960 5,2965 cw(c190,2960) 195,3145 4380,3145 cw(c4392.5,2942.5) 4595,2955 4595,205 cw(c4392.5,207.5) 4390,5 200,5 cw(c187.5,192.5)
GND on Top Layer "GND_L01_P001" (solid, remove dead copper, pour order 1): 0,180 0,2960 5,2965 cw(c190,2960) 195,3145 4380,3145 cw(c4392.5,2942.5) 4595,2955 4595,205 cw(c4392.5,207.5) 4390,5 200,5 cw(c187.5,192.5)
V_IN on Top Layer "V_IN_L01_P000" (solid, pour order 0): 2325,2995 2325,2455 2500,2455 2500,3000 2320,3000
GND on layer 3 (split plane): 4404.46,3124.99 4416.37,3123.82 4428.18,3121.87 4439.83,3119.15 4451.29,3115.68 4462.49,3111.46 4473.39,3106.52 4483.94,3100.88 4494.1,3094.56 4503.83,3087.59 4513.08,3080 4521.82,3071.82 4530,3063.08 4537.59,3053.83 4544.56,3044.1 4550.88,3033.94 4556.52,3023.39 4561.46,3012.49 4565.68,3001.29 4569.15,2989.83 4571.87,2978.18 4573.82,2966.37 4574.92,2955.18 4574.9,2955 4574.9,205 4574.92,204.79 4574.62,195.56 4573.45,183.68 4571.51,171.89 4568.79,160.26 4565.33,148.83 4561.12,137.66 4556.19,126.78 4550.56,116.24 4544.25,106.1 4537.3,96.39 4529.72,87.16 4521.56,78.44 4512.84,70.28 4503.61,62.7 4493.9,55.75 4483.76,49.44 4473.22,43.81 4462.34,38.88 4451.17,34.67 4439.74,31.21 4428.11,28.49 4416.32,26.55 4404.44,25.38 4392.5,24.99 4390.43,25.05 4390.25,25.07 4390,25.1 200,25.1 198.67,24.97 198.48,24.95 187.5,24.59 176.52,24.95 165.58,26.03 154.74,27.82 144.04,30.32 133.53,33.5 123.25,37.38 113.24,41.91 103.55,47.09 94.22,52.89 85.29,59.29 76.79,66.26 68.77,73.77 61.26,81.79 54.29,90.29 47.89,99.22 42.09,108.55 36.91,118.24 32.38,128.25 28.5,138.53 25.32,149.04 22.82,159.74 21.03,170.58 20.1,180.06 20.1,2951.87 21.71,2953.83 23.48,2957.15 23.57,2957.31 24.02,2958.79 24.71,2961.08 25.04,2964.46 25.09,2964.46 25.3,2970.8 26.36,2981.54 28.12,2992.2 30.57,3002.72 33.7,3013.06 37.51,3023.16 41.97,3033 47.06,3042.53 52.76,3051.7 59.05,3060.48 65.9,3068.83 73.29,3076.71 81.17,3084.1 89.52,3090.95 98.3,3097.24 107.47,3102.94 117,3108.03 126.84,3112.49 136.94,3116.3 147.28,3119.43 157.8,3121.88 168.46,3123.64 179.2,3124.7 190,3125.06 194.46,3124.91 194.46,3124.96 195,3124.9 4380,3124.9 4381.23,3125.02 4381.23,3125.01 4392.5,3125.38
GND on layer 2 (split plane): 4404.46,3124.99 4416.37,3123.82 4428.18,3121.87 4439.83,3119.15 4451.29,3115.68 4462.49,3111.46 4473.39,3106.52 4483.94,3100.88 4494.1,3094.56 4503.83,3087.59 4513.08,3080 4521.82,3071.82 4530,3063.08 4537.59,3053.83 4544.56,3044.1 4550.88,3033.94 4556.52,3023.39 4561.46,3012.49 4565.68,3001.29 4569.15,2989.83 4571.87,2978.18 4573.82,2966.37 4574.92,2955.18 4574.9,2955 4574.9,205 4574.92,204.79 4574.62,195.56 4573.45,183.68 4571.51,171.89 4568.79,160.26 4565.33,148.83 4561.12,137.66 4556.19,126.78 4550.56,116.24 4544.25,106.1 4537.3,96.39 4529.72,87.16 4521.56,78.44 4512.84,70.28 4503.61,62.7 4493.9,55.75 4483.76,49.44 4473.22,43.81 4462.34,38.88 4451.17,34.67 4439.74,31.21 4428.11,28.49 4416.32,26.55 4404.44,25.38 4392.5,24.99 4390.43,25.05 4390.25,25.07 4390,25.1 200,25.1 198.67,24.97 198.48,24.95 187.5,24.59 176.52,24.95 165.58,26.03 154.74,27.82 144.04,30.32 133.53,33.5 123.25,37.38 113.24,41.91 103.55,47.09 94.22,52.89 85.29,59.29 76.79,66.26 68.77,73.77 61.26,81.79 54.29,90.29 47.89,99.22 42.09,108.55 36.91,118.24 32.38,128.25 28.5,138.53 25.32,149.04 22.82,159.74 21.03,170.58 20.1,180.06 20.1,2951.87 21.71,2953.83 23.48,2957.15 23.57,2957.31 24.02,2958.79 24.71,2961.08 25.04,2964.46 25.09,2964.46 25.3,2970.8 26.36,2981.54 28.12,2992.2 30.57,3002.72 33.7,3013.06 37.51,3023.16 41.97,3033 47.06,3042.53 52.76,3051.7 59.05,3060.48 65.9,3068.83 73.29,3076.71 81.17,3084.1 89.52,3090.95 98.3,3097.24 107.47,3102.94 117,3108.03 126.84,3112.49 136.94,3116.3 147.28,3119.43 157.8,3121.88 168.46,3123.64 179.2,3124.7 190,3125.06 194.46,3124.91 194.46,3124.96 195,3124.9 4380,3124.9 4381.23,3125.02 4381.23,3125.01 4392.5,3125.38

## Other copper
Multi-Layer:
  pour cut-out: 4161,281 4161,5 3679,5 3679,281 3683,281
  pour cut-out: 1,994 270,994 270,520 269,521 0,521 0,994 1,995
  pour cut-out: 2033,226 2294,226 2295,227 2295,5 1992,5 1992,229

## Silkscreen, mask and mechanical layers (free items; w line width, h text height)
Top Overlay:
  drawing of 61 lines, arcs and shapes, not listed
  text "JTAG" at 1114,2936 h60 r90
  text "-" at 2004,2896 h200
  text "+" at 2548,2877 h200
  text "GND" at 1215,2790 h60 r90
  text "3.3V" at 1720,2790 h60 r90
  text "MTDI" at 1620,2775 h60 r90
  text "MTCK" at 1425,2760 h60 r90
  text "MTDO" at 1525,2760 h60 r90
  text "MTMS" at 1320,2755 h60 r90
  text "SIRABOX V2" at 3920,2475 h100
  text "Accelerometer" at 2875,2444 h60
  text "SIM Slot" at 237,2069 h60
  text "USB C" at 4181,1503 h60 r270
  text "RESET" at 2024,1464.67 h60
  text "BOOT" at 1724,1461 h60
  text "GPS Module" at 3326,1170 h60
  text "LTE_ANT" at 27,604 h60
  text "Camera" at 2744,301 h60
  text "4G Cellular Module" at 1108,105 h60
  text "GPS_ANT" at 4066,49 h60 r90
  text "ESP_ANT" at 2041,43 h60 r90
Mechanical 1:
  lines w20: 4380,3145 cw(c4392.5,2942.5) 4595,2955 4595,205 cw(c4392.5,207.5) 4390,5 200,5 cw(c187.5,192.5) 0,180 10.17,2960.07 cw(c194.62,2955.09) 199.6,3139.53 4465,3140
Bottom Component Center:
  pour cut-out: 4132,263.5 4132,1.5 3694,1.5 3695,2.5 3695,263.5

## Text inside footprints (layer, text, board x,y; h text height)
C2: Top Overlay "+" at 1617.28,2455.32 h48
D1: Top Overlay "A" at 2150,2590 h35; Top Overlay "K" at 2445,2595 h35
U7: Mechanical 13 "*" at 3610.25,2161.5 h50 r180; Top Overlay "*" at 3665,2110 h50 r180